# KiCad board Console.kicad_pcb (continued)
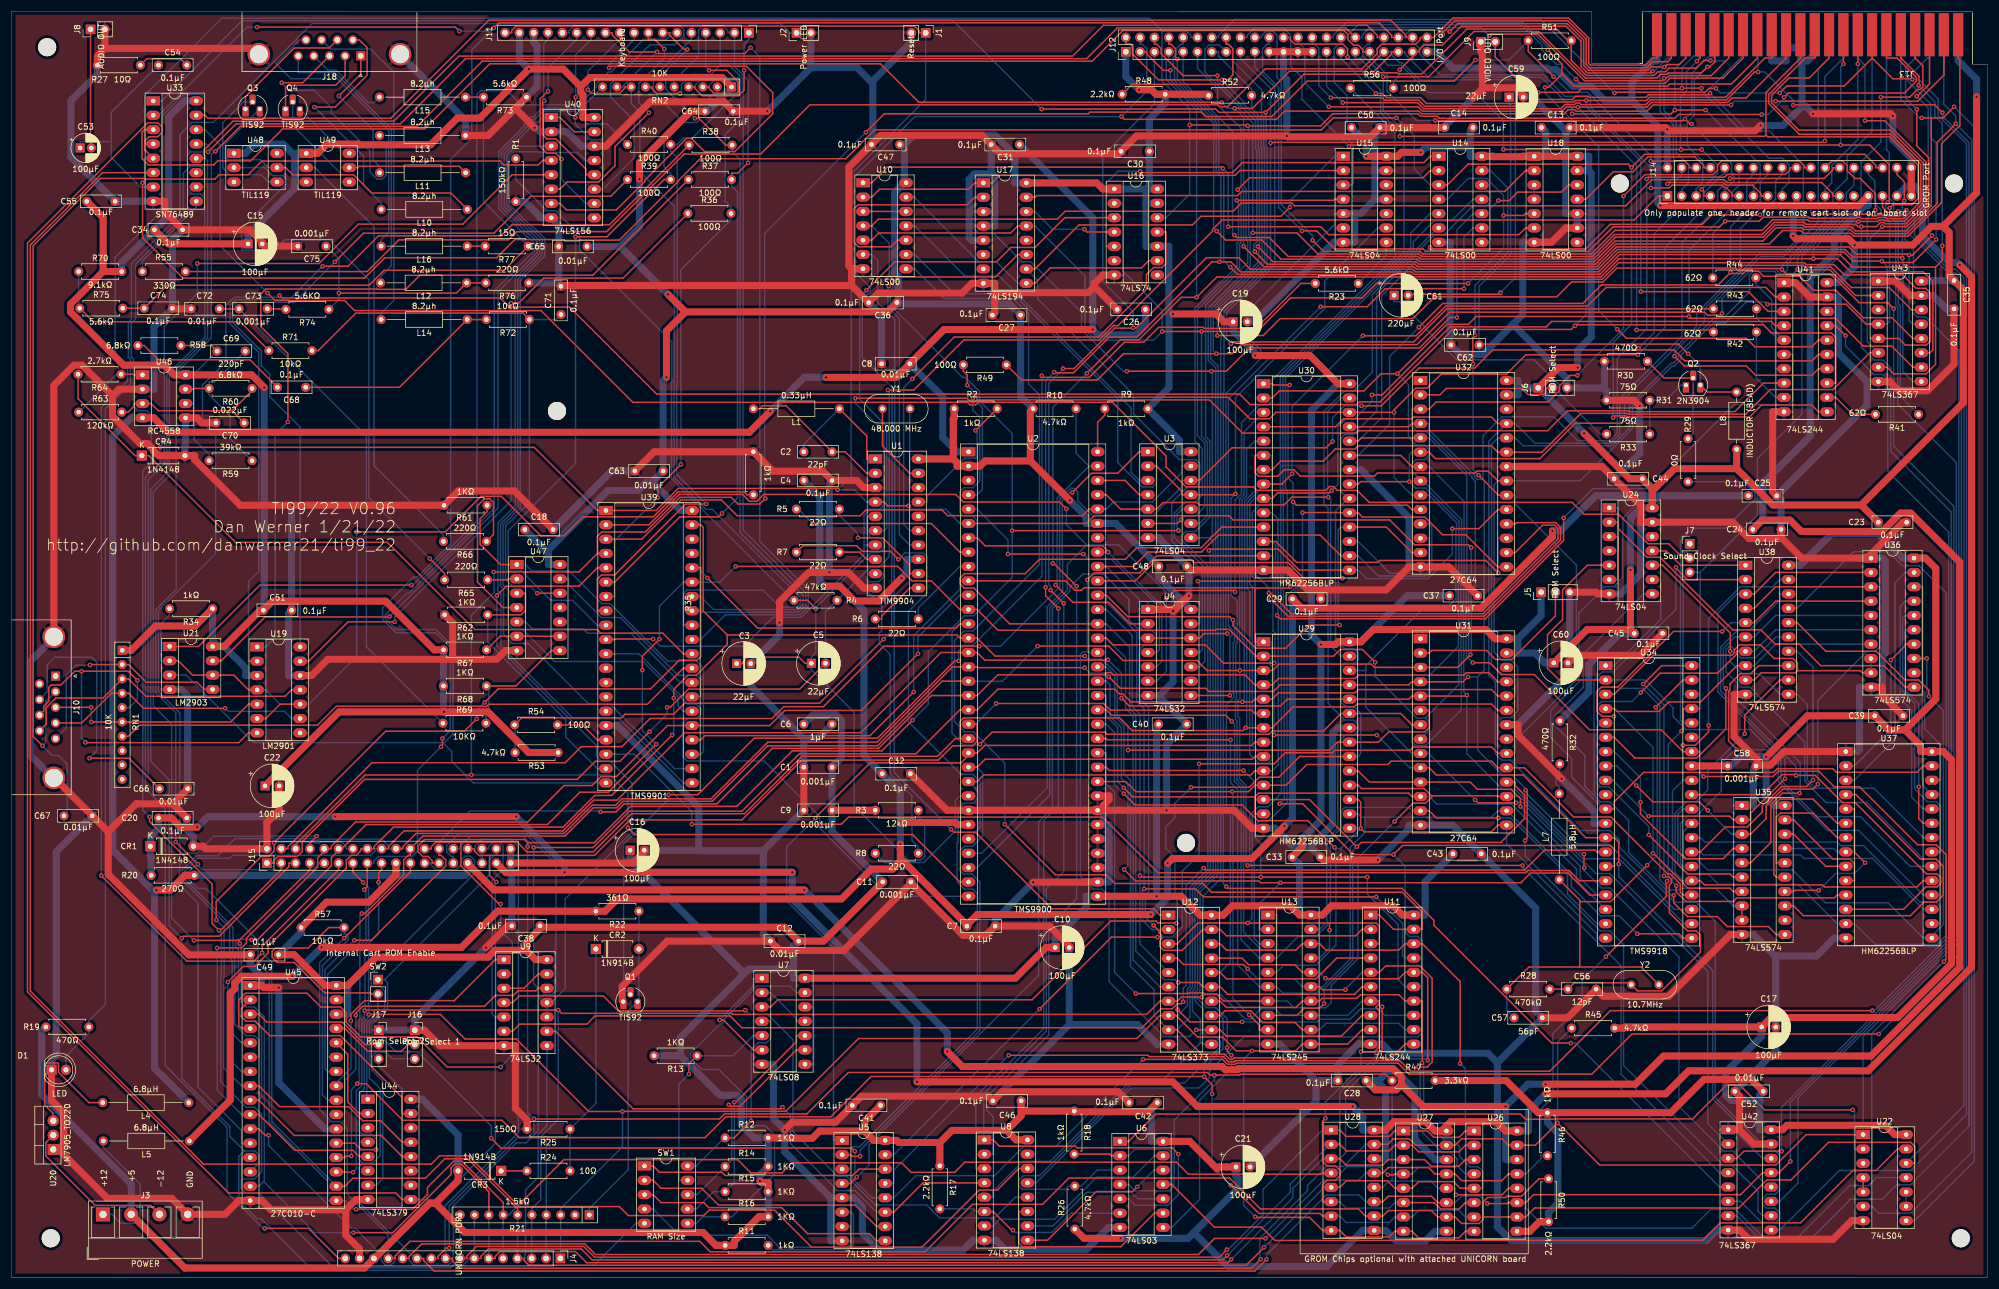
[diagram p0: board, top side]
## Routing (per net, layer and track width the routed paths; a pad name or vN(x,y) marks a point on that pad's centre or on a via; arc(x,y) is an arc through that point) (continued)
~{mWE}: length 772.4
  Top w0.25: v1(283.66,152.37) 283.95,152.66 286,152.66 286.2,152.46 307.83,152.46 309.94,154.58 318.84,154.58 320.03,153.38 U41.11 ; U14.3 254.31,193.56 257.99,197.25 286.34,197.25 v1(286.92,196.67) 289.24,198.99 328.21,198.99 330.21,196.99 330.21,196.61 J14.32 ; v1(245.29,205.45) 234.12,205.45 231.97,203.31 152.88,203.31 147.78,198.21 122.01,198.21 118.05,194.24 118.05,194.14 107.69,183.79 100.68,183.79 100.54,183.64 98.09,183.64 97.85,183.89 89.17,183.89 85.96,180.67 66.15,180.67 62.54,177.06 30.4,177.06 23.25,184.21 v1(23.25,193.92) ; U33.5 23.61,199.81 23.61,201.33 24.38,202.1 25.92,202.1 26.66,202.84 26.66,203.86 25.97,204.55 24.14,204.55 2.87,183.27 2.87,50.63 38.48,15.01 68.06,15.01 69.23,13.84 U44.9
  Bottom w0.25: U14.3 251.26,193.56 248.46,196.37 248.46,202.29 v1(245.29,205.45) ; 85.71,46.19 85.71,23.77 75.78,13.84 U44.9 ; 85.71,46.19 U9.5 ; 85.71,46.19 85.14,46.75 85.14,70.4 87.08,72.34 87.08,76.51 86.38,77.21 85.4,77.21 84.54,76.35 84.54,75.99 J15.32 ; U33.5 23.61,198.29 23.61,194.28 v1(23.25,193.92) ; v1(286.92,196.67) 286.92,168.89 283.66,165.63 v1(283.66,152.37)
~{RAM0}: length 43.8
  Top w0.25: SW1.1 113.66,19.8 114.79,18.67 125.84,18.67 126.4,18.11 149,18.11 150.13,19.24 U5.14
~{RAM1}: length 46
  Top w0.25: U5.10 153.23,9.08 149.45,12.86 125.24,12.86 122.27,15.84 115.07,15.84 113.66,17.26 SW1.2
~{RAM2}: length 46
  Top w0.25: SW1.3 113.66,14.72 115.07,13.3 122.62,13.3 123.51,12.41 136.42,12.41 141.02,7.81 151.96,7.81 153.23,6.54 U5.9
~{RAM3}: length 44.2
  Bottom w0.25: SW1.4 113.66,12.18 118.3,7.54 133.86,7.54 136,5.39 148.06,5.39 148.66,5.99 148.66,9.08 U5.7
~{RAM4}: length 64.3
  Bottom w0.25: U9.8 94.86,26.93 93.32,25.4 93.32,17.79 91.06,15.54 91.06,4.23 90.94,4.11 90.94,2.96 91.69,2.21 103.19,2.21 110.61,9.64 SW1.5
~{RAM}: length 263.7
  Top w0.25: v1(206.32,62.79) 206.28,62.84 203.05,62.84 202.72,63.18 194.72,63.18 180.78,49.24 135.73,49.24 134.46,47.97 U7.3 ; v1(208.91,86.87) 219.22,86.87 221,88.65 224.48,88.65 228.14,92.31 U29.20
  Bottom w0.25: 236.71,138.04 235.42,139.32 235.42,148.63 236.11,149.32 237.61,149.32 241.78,153.49 241.78,174.26 249.45,181.93 249.45,182.13 251.99,184.68 253.66,184.68 258.74,189.75 261.14,189.75 261.97,190.58 261.97,192 U14.12 ; 236.71,138.04 234.5,135.83 234.5,113.06 236.2,111.37 237.72,111.37 238.54,110.55 238.54,109.58 237.78,108.83 236.22,108.83 235.44,108.04 235.44,102.03 236.26,101.21 237.71,101.21 238.97,99.95 238.97,92.77 238.52,92.31 U29.20 ; 236.71,138.04 236.99,138.04 ; v1(208.91,86.87) 206.07,84.02 206.07,81.49 204.44,79.86 204.44,76.08 206.07,74.45 206.07,67.38 206.46,66.98 206.46,62.93 v1(206.32,62.79)
~{RESET}: length 755.8
  Top w0.25: v1(44.87,8.74) 52.64,8.74 57.96,3.42 J4.16 ; v1(258.53,129.33) 258.03,129.83 248.5,129.83 244.1,134.23 216.38,134.23 215.63,134.97 191.76,134.97 190.38,133.6 U2.6 ; v1(258.82,108.94) 261.76,108.94 263.86,106.84 269.7,106.84 279.46,97.07 292.16,97.07 296.05,93.18 U34.34 ; v1(26.36,147.08) 92.61,147.08 103.78,135.91 U39.1 114.19,135.91 118.09,139.81 146.07,139.81 v1(146.32,139.56) ; J11.18 88.61,220.52 88.61,220.89 89.41,221.7 159.92,221.7 160.75,220.87 160.75,220.5 J1.1 ; v1(158.91,136.73) 155.22,136.73 154.54,137.41 U1.4 ; v1(299.68,88.78) 311.99,88.78 312.92,89.71 320.08,89.71 322.82,86.96 327.29,86.96 337.57,76.69 340.87,76.69 342.61,74.95 342.61,56.37 v1(342.26,56.02)
  Bottom w0.25: U22.3 329.46,20.27 329.46,43.22 v1(342.26,56.02) ; J1.1 161.93,208.7 148.72,195.49 148.72,141.95 v1(146.32,139.56) 149.34,139.56 151.49,137.41 U1.4 ; U34.34 299.1,93.18 299.1,89.35 v1(299.68,88.78) ; v1(26.36,147.08) 26.36,144.38 23.75,141.77 23.75,86.58 27.25,83.09 27.25,37.59 38.21,26.63 38.21,15.12 44.6,8.74 v1(44.87,8.74) ; v1(158.91,136.73) 159.53,136.11 165.48,136.11 167.99,133.6 U2.6 ; v1(258.53,129.33) 258.53,122.34 258.07,121.89 258.07,111.07 257.68,110.68 257.68,110.07 v1(258.82,108.94)
~{ROMG}: length 507.2
  Top w0.25: v1(330.7,43.18) 287.02,43.18 279.91,36.07 247.51,36.07 245.59,37.99 216.91,37.99 216.72,37.8 215.37,37.8 214.5,38.67 v1(200.42,38.67) ; v1(149.39,22.42) 148.84,22.98 86.7,22.98 v1(84.98,24.7) ; J14.34 333.92,195.43 335.23,194.13 v1(335.23,190.79)
  Bottom w0.25: v1(84.98,24.7) 84.98,26.91 71.85,40.03 68.1,40.03 65.47,42.67 63.98,42.67 63.88,42.77 63.88,44.86 66.63,47.6 66.63,52.28 66.11,52.8 ; v1(330.7,43.18) 345.34,57.82 345.34,176.95 344.33,177.97 343.03,177.97 335.82,185.18 335.82,187.78 334.87,188.73 334.87,190.42 v1(335.23,190.79) ; v1(149.39,22.42) 149.39,18.5 149,18.11 149,17.51 152.36,14.16 U5.12 156.28,14.16 160.19,18.07 174.11,18.07 179.3,23.26 185.01,23.26 v1(200.42,38.67) ; 66.11,52.8 84.63,71.31 84.63,73.91 85.53,74.81 85.9,74.81 J15.34 ; 66.11,52.8 SW2.1
~{ROM}: length 279.7
  Top w0.25: v1(210.34,91.04) 223.64,91.04 225.59,92.99 233.92,92.99 234.37,93.44 247.74,93.44 248.3,94 262.13,94 263.27,92.87 U31.20 ; v1(259.84,142.15) 263.26,138.73 263.26,138.6 U32.20 ; v1(259.21,166.93) 258.79,166.52 258.79,161.92 v1(258.86,161.85) ; v1(202.98,60.33) 194.83,60.33 v1(182.09,47.59)
  Bottom w0.25: v1(210.34,91.04) 210.34,74.98 207.37,72 207.37,62.12 205.59,60.33 v1(202.98,60.33) ; U5.15 156.28,21.78 v1(182.09,47.59) ; v1(259.84,142.15) 258.86,143.14 v1(258.86,161.85) ; v1(259.21,166.93) 259.21,175.77 265.01,181.57 265.01,193.02 261.93,196.11 U14.13 ; U32.20 266.32,138.6 266.32,137.07 277.17,126.22 277.17,105.95 266.32,95.1 266.32,92.87 U31.20
~{SOUND_SEL}: length 362.4
  Top w0.25: U33.6 16.18,195.75 3.37,182.93 3.37,50.78 34.03,20.11 74.36,20.11 75.84,21.6 80.96,21.6 89.96,12.6 107.67,12.6 109.27,11 122.62,11 123.57,11.96 135.16,11.96 141.71,5.41 161.28,5.41 171.4,15.53 174.62,15.53 178.43,19.34 U8.14
~{WE}: length 93.9
  Top w0.25: U2.61 193.9,138.68 196.44,136.15 U3.5 202.8,136.15 203.97,137.32 210.01,137.32 210.45,136.88 225.4,136.88 226.77,138.26 v1(233.23,138.26)
  Bottom w0.25: 236.99,155.81 235.46,155.81 233.1,153.45 233.1,138.39 v1(233.23,138.26) 233.65,137.84 233.65,111.91 235.46,110.09 U29.27
~{Ø1}: length 75.7
  Top w0.25: v1(155.38,175.64) 157,177.27 174.28,177.27 178.23,181.22 U17.11
  Bottom w0.25: U1.14 159.11,129.79 157.26,131.63 157.26,169.9 155.24,171.92 155.24,175.5 v1(155.38,175.64)
~{Ø2}: length 91.5
  Top w0.25: U16.11 204.48,185.23 204.48,179.65 203.77,178.94 202.3,178.94 201.02,177.66 201.02,175.11 192.53,166.62 166.99,166.62 v1(159.58,159.21)
  Bottom w0.25: U1.15 159.11,132.33 158.03,133.41 158.03,157.66 v1(159.58,159.21)
~{Ø3}: length 258.4
  Top w0.25: v1(113.66,113.13) 106.92,113.13 106.84,113.05 U39.10 ; U41.8 310.27,158.47 305.22,153.41 286.53,153.41 286.38,153.56 275.59,153.56 272.06,150.03 238.66,150.03 238.23,149.6 218.05,149.6 212.15,155.5 171.01,155.5 170.57,155.05 169.97,155.05 169.24,155.78 v1(149.48,155.78)
  Bottom w0.25: 151.01,129.79 151.01,135.05 152.09,136.13 153.78,136.13 154.54,136.9 154.54,149.86 149.48,154.92 v1(149.48,155.78) ; 151.01,129.79 U1.7 ; 151.01,129.79 151.01,128.09 139.88,116.96 134.86,116.96 129.75,111.85 114.94,111.85 v1(113.66,113.13)
~{Ø4}: length 96
  Top w0.25: v1(151.42,174.91) 156.46,179.95 174.49,179.95 177.03,182.49 181.28,182.49 186.56,187.77 U16.3
  Bottom w0.25: U1.6 154.54,132.33 155.02,132.81 155.02,150.83 150.23,155.63 150.23,173.72 v1(151.42,174.91)
Net-(C2-Pad1): length 22.7
  Top w0.25: U1.1 151.49,145.03 151.49,149.09 L1.1
  Bottom w0.25: L1.1 140.35,147.61 C2.1
Net-(C2-Pad2): length 26.8
  Top w0.25: U1.2 151.49,142.49 147.67,146.3 C2.2 137.21,154.44 133.06,154.44 132.54,153.92 L1.2
Net-(C3-Pad1): length 208.7
  Top w0.25: C3.1 129.57,108.79 129.57,109.07 130.42,109.92 139.48,109.92 140.56,108.84 C5.1 ; R4.2 141.02,119.98 v1(142.47,118.53)
  Bottom w0.25: R4.2 137.49,119.98 137.49,120.97 116.92,141.54 116.92,158.88 116.97,158.93 116.97,165.77 100.66,182.09 100.66,184.71 96.36,189.01 94.85,189.01 89.33,194.52 R1.1 ; U1.5 151.49,134.87 151.49,131.84 152.27,131.06 153.78,131.06 154.58,130.25 154.58,129.32 153.78,128.52 152.28,128.52 142.47,118.7 v1(142.47,118.53) 142.47,110.75 141.68,109.96 C5.1 141.68,107.71 149.24,100.15 149.24,83.58 158.82,74 161.08,74 161.75,74.68 161.75,80.55 160.62,81.67 R3.2
Net-(C53-Pad1): length 36.1
  Bottom w0.25: U33.7 23.61,193.21 23.6,193.2 22.91,193.2 17.69,198.42 17.69,201.25 ; C53.1 12.18,201.25 17.69,201.25 ; 17.69,201.25 17.69,206.4 C54.1
Net-(C54-Pad2): length 9.2
  Top w0.25: C54.2 29.94,215.92 23.99,215.92 R27.1
Net-(C56-Pad1): length 93.8
  Top w0.25: R28.2 C56.1 276.79,52.24 286.53,52.24 Y2.1 287.96,50.82 292.27,50.82 299.13,57.68 299.13,60.67 298.37,61.43 296.85,61.43 293.63,64.65 293.63,69.61 293.96,69.94 293.96,70.6 293.52,71.04 292.8,71.04 v1(292.67,71.17) ; U34.40 292.27,108.42 v1(289,105.15)
  Bottom w0.25: v1(292.67,71.17) 292.67,101.48 v1(289,105.15)
Net-(C57-Pad1): length 104.2
  Top w0.25: U34.39 296.05,105.88 v1(291.2,101.03) ; 277.76,55.03 268.75,55.03 R28.1 ; 277.76,55.03 277.76,66.61 ; 277.76,55.03 288.62,55.03 Y2.2 ; 277.76,66.61 283.23,66.61 v1(289.69,73.08) ; 277.76,66.61 277.76,66.88 L7.1
  Bottom w0.25: v1(291.2,101.03) 291.48,100.76 291.48,74.86 v1(289.69,73.08) ; C57.1 264.83,47.34 R28.1
Net-(C59-Pad1): length 97.5
  Top w0.25: Q2.3 300.32,156.88 L8.2 ; C62.1 260.08,165.37 295.23,165.37 v1(296.95,163.64)
  Bottom w0.25: v1(296.95,163.64) 299.11,161.49 Q2.3 ; C62.1 259.94,175.63 265.52,181.22 265.52,207.71 265.24,207.99 C59.1
Net-(C61-Pad1): length 49.4
  Bottom w0.25: R33.2 281.4,149.42 274.22,156.6 274.22,158.05 269.69,162.58 255.98,162.58 250.45,168.11 250.45,168.28 245.83,172.89 244.87,172.89 C61.1
Net-(C68-Pad1): length 37
  Top w0.25: C68.1 68.73,157.72 L14.1 R72.2
Net-(C68-Pad2): length 27.8
  Top w0.25: C68.2 42.26,162.6 26.06,162.6 23.54,165.12 R58.2
Net-(C69-Pad1): length 30.5
  Top w0.25: C69.1 35.44,165.12 R58.1
  Bottom w0.25: 32.38,154.84 32.38,148.49 35.02,145.85 R59.2 ; 32.38,154.84 U46.6 ; 32.38,154.84 32.38,160.07 C69.1
Net-(C69-Pad2): length 30
  Top w0.25: R60.2 32.52,157.52 32.38,157.38 U46.7
  Bottom w0.25: C69.2 35.96,158.65 35.02,158.65 R60.2 35.02,156.39 38.74,152.68 38.74,148.63 R59.1
Net-(C70-Pad1): length 29.4
  Top w0.25: 39.09,153.57 42.64,157.13 R60.1 ; 39.09,153.57 26.03,153.57 24.76,154.84 U46.3 21.71,154.84 21.71,154.35 20.68,153.32 R63.2 ; 39.09,153.57 C70.1
Net-(C71-Pad1): length 106.1
  Top w0.25: R71.2 54.37,164.22 61.01,170.86 90.61,170.86 R72.1 ; v1(93.14,121.24) U47.12
  Bottom w0.25: C71.1 96.44,169.72 R72.1 91.75,137.35 87.53,133.14 87.53,123.73 88.89,122.37 92.02,122.37 v1(93.14,121.24)
Net-(C72-Pad1): length 91.9
  Top w0.25: C73.1 C72.1
  Bottom w0.25: C73.1 62.88,149.07 62.88,111.77 R69.1
Net-(C73-Pad2): length 3.3
  Top w0.25: C73.2 47.4,171.62 47.5,171.52 R74.2
Net-(C74-Pad1): length 109.2
  Top w0.25: R75.2 C74.1 27.62,175.8 63.38,175.8 66.03,178.44 87.27,178.44 R77.1 ; R73.2 L15.1
  Bottom w0.25: R73.2 83.61,190.65 R77.1
Net-(C75-Pad1): length 39.6
  Top w0.25: v1(58.02,174.4) 78.81,174.4 L12.1 R76.2
  Bottom w0.25: R74.1 58.02,173.3 v1(58.02,174.4) 58.02,180.43 C75.1
Net-(CR2-Pad1): length 41.2
  Bottom w0.25: CR2.1 103.52,30.9 R25.1 R24.2
Net-(CR2-Pad2): length 57.4
  Bottom w0.25: R22.1 CR2.2 111.14,49.14 Q1.3 109.24,47.24 109.24,19.13 102.36,12.25 R21.1
Net-(CR3-Pad1): length 4.6
  Top w0.25: CR3.1 R24.1
Net-(D1-Pad2): length 292.4
  Bottom w0.25: D1.2 9.67,39.22 13.74,43.29 R19.2 13.74,45.55 16.67,48.47 16.67,153.9 21.12,158.34 21.12,162.62 20.74,163 20.74,169.21 21.28,169.75 21.28,179.61 29.87,188.2 29.87,202.48 32.03,204.64 35.77,204.64 53.28,222.15 136.24,222.15 137.89,220.5 J2.1
Net-(J3-Pad1): length 24
  Bottom w0.25: L5.2 16.3,23.09 22.82,16.57 22.82,10.55 21.92,9.64 19.39,9.64 17.81,11.22 J3.1
Net-(J3-Pad3): length 28.7
  Top w0.25: U20.2 6.11,23.93 6.11,21.56 14.88,12.8 24.66,12.8 J3.3
Net-(J5-Pad2): length 32.1
  Top w0.25: U31.2 251.08,110.65 251.55,111.11 261.24,111.11 262.83,109.52 265.73,109.52 273.45,117.24 J5.2
Net-(J6-Pad2): length 25.3
  Top w0.25: U32.2 252.98,156.38 254.12,157.52 267.5,157.52 268.57,156.44 271.41,156.44 271.77,156.81 271.77,157.62 J6.2
Net-(J10-Pad3): length 39.6
  Top w0.25: U19.5 42.01,101.59 38.87,98.45 RN1.6 v1(14.16,98.45) ; J10.3 v1(14.12,101.03)
  Bottom w0.25: v1(14.16,98.45) 14.12,98.48 v1(14.12,101.03)
Net-(J10-Pad4): length 47.4
  Top w0.25: J10.4 12.47,98.26 17.73,103.53 RN1.4 20.76,103.53 23.42,100.86 v1(37.87,100.86)
  Bottom w0.25: U19.9 49.63,99.05 48.36,100.31 38.42,100.31 v1(37.87,100.86)
Net-(J10-Pad5): length 40.5
  Top w0.25: v1(13.94,108.52) 14.02,108.61 RN1.2 20.76,108.61 23.9,105.47 32.86,105.47 34.13,104.2 U21.5
  Bottom w0.25: v1(13.94,108.52) 11.53,108.52 9.73,106.72 9.73,97.38 J10.5
Net-(J10-Pad8): length 73.9
  Top w0.25: J10.8 5.75,100.39 5.75,101.23 6.63,102.12 6.63,104.54 7.08,104.99 8.79,104.99 11.22,107.42 v1(12.44,107.42) 20.73,107.42 v1(22.34,105.82) ; v1(13.13,94.82) 13.18,94.77 40.28,94.77 42.01,96.51 U19.7
  Bottom w0.25: v1(13.13,94.82) 12.44,95.52 v1(12.44,107.42) ; v1(22.34,105.82) 22.34,102.42 20.9,100.99 RN1.5
Net-(J10-Pad9): length 53.4
  Top w0.25: U19.11 49.63,104.12 48.49,102.99 23.84,102.99 20.76,106.06 RN1.3 16.24,102.68 7.89,102.68 6.2,100.98 6.2,98.07 J10.9
Net-(J11-Pad1): length 134.8
  Top w0.25: v1(129.77,213.85) 129.77,210.37 128.74,209.34 122.36,209.34 121.07,210.64 121.07,210.92 RN2.4 ; v1(114.5,138.18) 114.5,139.97 v1(118.59,144.06)
  Bottom w0.25: U39.7 106.84,120.67 106.84,130.52 v1(114.5,138.18) ; v1(118.59,144.06) 118.59,178.54 127.45,187.39 R36.2 127.45,189.65 126.4,190.69 126.4,202.49 129.15,205.24 129.15,212.11 128.76,212.5 122.36,212.5 121.07,211.2 121.07,210.92 RN2.4 ; v1(129.77,213.85) 129.77,218.5 130.61,219.34 J11.1
Net-(J11-Pad2): length 134.3
  Top w0.25: v1(130.48,197.48) 128.64,195.65 127.55,195.65 R37.2 ; U39.6 106.84,123.21 118.41,134.78 125.26,134.78 v1(125.87,135.38)
  Bottom w0.25: v1(130.48,197.48) 130.48,212.12 128.07,214.53 J11.2 126.89,220.52 126.89,220.89 126.09,221.7 122.45,221.7 121.72,220.97 121.72,216.37 117.4,212.05 RN2.5 ; v1(125.87,135.38) 128.6,138.12 128.6,192.34 127.55,193.39 R37.2
Net-(J11-Pad3): length 146
  Top w0.25: RN2.7 113.45,210.92 113.45,210.64 114.32,209.77 v1(118.43,209.77)
  Bottom w0.25: 125.53,214.81 123.85,213.13 120.53,213.13 118.67,211.27 118.67,210.01 v1(118.43,209.77) ; 125.53,214.81 127.09,214.81 129.6,212.3 129.6,132.43 140.67,121.35 140.67,119.1 139.43,117.86 122.34,117.86 122.08,118.12 120.55,118.12 ; 125.53,214.81 J11.3
Net-(J11-Pad4): length 144.7
  Top w0.25: v1(123.08,137.04) 119.42,137.04 106.85,124.48 104.52,124.48 103.78,123.74 103.78,118.12 105.31,118.12 ; v1(123.55,213.85) 126.72,213.85 128.74,211.84 128.74,210.02 128.51,209.79 124.45,209.79 123.61,210.64 123.61,210.92 RN2.3
  Bottom w0.25: J11.4 122.99,214.42 v1(123.55,213.85) ; RN2.3 123.61,210.92 123.61,211.2 124.45,212.05 128.57,212.05 128.69,211.93 128.69,209.94 120.59,201.85 119,201.85 117.87,200.72 R40.2 116.74,199.59 117.93,198.41 117.93,158.61 117.85,158.53 117.85,142.27 v1(123.08,137.04)
Net-(J11-Pad5): length 149.9
  Top w0.25: v1(99.92,184.39) 105.49,184.39 115.62,194.52 R39.2
  Bottom w0.25: U39.9 103.78,115.59 99.4,119.97 95.54,119.97 90.31,125.19 88.13,125.19 88,125.32 88,132.29 99.92,144.21 v1(99.92,184.39) ; 119.02,204.63 113.71,209.94 113.71,212.6 120.45,219.34 J11.5 ; 119.02,204.63 115.6,201.21 115.6,196.79 116.74,195.65 R39.2 ; 119.02,204.63 121.38,204.63 121.79,205.04 121.79,206 121.65,206.15 121.65,207.04 124.4,209.79 125.02,209.79 RN2.2
Net-(J11-Pad6): length 181.8
  Top w0.25: v1(70.86,122.68) 44.02,122.68 33.17,111.82 U21.1
  Bottom w0.25: v1(70.86,122.68) 71.11,122.68 82.46,134.03 82.46,209.56 83.15,210.25 87.83,210.25 90.36,207.72 100.46,207.72 103.57,210.84 103.57,211.39 105.73,213.54 106.15,213.54 111.95,219.34 115.93,219.34 116.73,220.15 116.73,220.52 J11.6
Net-(J11-Pad7): length 138.9
  Top w0.25: R38.2 126.52,200.62 121.78,205.36 v1(121.06,205.36) ; J11.7 116.55,220.52 116.55,220.15 119.13,217.57 v1(119.72,217.57)
  Bottom w0.25: 115.91,210.92 115.91,213.77 v1(119.72,217.57) ; 115.91,210.92 RN2.6 ; 115.91,210.92 115.91,210.51 v1(121.06,205.36) ; R38.2 127.64,199.49 129.05,198.09 129.05,132.02 140.22,120.85 140.22,119.29 139.28,118.35 124.39,118.35 122.08,120.67 U39.34
Net-(J11-Pad8): length 43.4
  Top w0.25: U40.6 97.16,192.82 98.43,194.09 104,194.09 106.9,196.99 106.9,200.33 v1(112.93,206.36) ; J11.8 112.83,219.34 113.94,219.34 v1(115.63,217.65)
  Bottom w0.25: v1(115.63,217.65) 115.63,216.04 111.15,211.56 111.15,208.13 v1(112.93,206.36)
Net-(J11-Pad9): length 91.6
  Top w0.25: U40.7 97.16,190.28 98.3,189.14 107.15,189.14 112.2,194.19 112.2,194.42 119.59,201.81 120.43,201.81 122.75,199.49 128.15,199.49 134.83,206.17 134.83,209.92 130.17,214.58 106.13,214.58 v1(105.85,214.3)
  Bottom w0.25: v1(105.85,214.3) 105.85,214.91 110.29,219.34 J11.9
Net-(J11-Pad10): length 155.2
  Top w0.25: RN2.8 108.65,210.92 108.65,210.71 107.72,209.77 102.76,209.77 v1(102.1,210.43)
  Bottom w0.25: U39.32 119.02,115.59 119.02,121.17 119.65,121.79 133.1,121.79 136.1,118.8 139.09,118.8 139.74,119.45 139.74,120.48 124.11,136.11 122.98,136.11 117.37,141.73 117.37,158.69 117.42,158.75 117.42,189.75 111.32,195.85 111.32,206.45 109.78,207.99 RN2.8 ; v1(102.1,210.43) 102.1,213.69 107.75,219.34 J11.10
Net-(J11-Pad11): length 163.9
  Top w0.25: v1(130.93,217.88) 129.88,216.83 114.64,216.83 v1(114.35,217.12) 109.42,217.12 106.39,220.15 106.39,220.52 J11.11
  Bottom w0.25: RN2.9 108.37,210.92 108.37,211.13 v1(114.35,217.12) ; U39.31 122.08,113.05 126.44,117.41 139.69,117.41 141.12,118.84 141.12,121.86 132.56,130.42 132.56,216.25 v1(130.93,217.88)
Net-(J11-Pad12): length 42.7
  Top w0.25: v1(99.95,209.1) 99.88,209.04 v1(99.88,205.51)
  Bottom w0.25: v1(99.95,209.1) 99.95,216.62 102.67,219.34 J11.12 ; v1(99.88,205.51) 99.88,204.35 102.67,201.57 104.16,201.57 104.81,200.92 104.81,194.92 103.98,194.09 102.45,194.09 101.7,193.34 101.7,192.38 102.53,191.55 104.04,191.55 104.78,190.81 104.78,187.74 U40.9
Net-(J11-Pad13): length 38.8
  Top w0.25: v1(95.06,210.13) 94.97,210.13 93.64,208.79 93.64,200.39 94.86,199.17 96.43,199.17 v1(97.44,198.16)
  Bottom w0.25: v1(97.44,198.16) 97.44,194.57 101.73,190.28 U40.10 ; v1(95.06,210.13) 95.06,214.28 100.13,219.34 J11.13
Net-(J11-Pad14): length 64.2
  Bottom w0.25: U40.11 104.78,192.82 110.3,198.34 110.3,204.93 106.11,209.12 106.11,211.41 113.09,218.38 117.49,218.38 119.09,219.98 119.09,221.07 118.47,221.7 99.57,221.7 98.77,220.89 98.77,220.52 97.59,220.52
Net-(J11-Pad15): length 31.2
  Top w0.25: U40.12 101.73,195.36 101.73,196.4 96.42,201.71 94.88,201.71 94.11,202.48 94.11,208.2 v1(94.37,208.46)
  Bottom w0.25: J11.15 95.05,219.34 94.29,218.58 94.29,208.54 v1(94.37,208.46)
Net-(J18-Pad1): length 25.3
  Top w0.25: J18.1 61.89,213.2 v1(58.01,209.33)
  Bottom w0.25: L11.2 65.22,196.85 64.07,197.99 64.07,203.27 v1(58.01,209.33)
Net-(J18-Pad2): length 18.7
  Top w0.25: J18.2 59.11,212.9 57.44,211.22 49.04,211.22 48.56,210.75 Q4.1
Net-(J18-Pad3): length 46.5
  Top w0.25: v1(47.89,211.67) 51.6,211.67 J18.3
  Bottom w0.25: L13.2 65.19,201.19 66.38,200.01 66.38,195.29 65.67,194.58 64.76,194.58 63.51,195.83 63.51,199.54 56.69,206.37 56.69,207.27 53.64,210.32 49.23,210.32 v1(47.89,211.67)
Net-(J18-Pad4): length 15.5
  Bottom w0.25: L15.2 64.21,208.14 63.25,208.14 57.48,213.92 56.07,213.92 J18.4
Net-(J18-Pad5): length 51.6
  Bottom w0.25: J18.5 50.8,213.47 57.29,213.47 67.29,203.46 67.29,179.24 65.39,177.35 L12.2
Net-(J18-Pad6): length 42.7
  Top w0.25: v1(53.67,207.35) 57.37,207.35 63.01,213 63.01,217.88 61.63,219.25 J18.6
  Bottom w0.25: v1(53.67,207.35) 62.38,198.64 62.38,193.48 65.52,190.35 L10.2
Net-(J18-Pad7): length 22.6
  Top w0.25: J18.7 56.3,217.82 50.09,217.82 41.47,209.2 Q3.1
Net-(J18-Pad8): length 59.9
  Bottom w0.25: 54.96,219.25 56.6,217.62 63.64,217.62 67.74,213.52 67.74,173.1 65.5,170.85 L14.2
Net-(J18-Pad9): length 53.1
  Bottom w0.25: L16.2 65.5,183.85 66.83,185.18 66.83,203.25 57.7,212.39 49.52,212.39 46.83,215.07 51.02,219.25 J18.9
Net-(L4-Pad2): length 24.9
  Top w0.25: U20.3 7.44,29.08 5.91,30.6 5.91,37.91 6.05,38.05 8.19,38.05 8.36,37.88 8.36,36.4 13.74,31.02 L4.2
Net-(L7-Pad2): length 5.7
  Bottom w0.25: R32.2 274.23,89.88 273.6,89.25 273.6,87.4 274.13,86.87 274.13,85.75
Net-(L10-Pad1): length 57.9
  Top w0.25: L10.1 77.84,192.13 63.84,192.13 60.61,195.36 49.85,195.36 48.58,196.63 U48.5
  Bottom w0.25: U48.5 45.53,196.63 44.12,198.04 38.1,198.04 37.91,198.23 37.91,200.9 Q3.3
Net-(L11-Pad1): length 36.1
  Top w0.25: L11.1 79.31,196.86 61.61,196.86 61.38,196.63 U49.5
  Bottom w0.25: Q4.3 58.33,199.78 58.33,196.63 U49.5
Net-(L16-Pad1): length 3.2
  Top w0.25: R77.2 L16.1
Net-(Q1-Pad2): length 213.5
  Top w0.25: v1(116.41,85.56) 121.55,85.56 131.56,95.57 153.4,95.57 167.09,109.26 v1(167.76,109.26) ; R23.2 228.37,176.12 220.4,168.14 211.27,168.14 211.07,168.34 203.17,168.34 200.52,165.69 197.1,165.69 190.88,159.47 182.76,159.47 v1(182.48,159.76)
  Bottom w0.25: v1(167.76,109.26) 167.76,111.02 168.78,112.04 170.29,112.04 182.52,124.27 182.52,159.71 v1(182.48,159.76) ; v1(116.41,85.56) 116.41,84.78 108.43,76.8 108.43,51.38 Q1.2
Net-(Q2-Pad1): length 13.5
  Bottom w0.25: R33.1 R31.1 293.01,155.42 295.69,158.1 Q2.1
Net-(Q2-Pad2): length 20.4
  Top w0.25: Q2.2 292.69,159.37 R30.1
  Bottom w0.25: Q2.2 297.84,149.52 R29.1
Net-(Q3-Pad2): length 25.4
  Bottom w0.25: U48.4 45.53,194.09 44.26,195.36 38.7,195.36 37.46,196.6 37.46,204.58 41.15,208.27 Q3.2
Net-(Q4-Pad2): length 19.2
  Bottom w0.25: Q4.2 49.83,204.11 58.33,195.62 58.33,194.09 U49.4
Net-(R2-Pad1): length 24.6
  Top w0.25: R2.1 v1(170.76,150.08)
  Bottom w0.25: U1.17 162.16,137.41 162.16,138.45 168.88,145.17 170.85,145.17 171.04,145.36 171.04,149.8 v1(170.76,150.08)
Net-(R5-Pad2): length 20.7
  Top w0.25: v1(149.94,131.06) 154.31,131.06 159.11,126.25 159.11,124.71 U1.12
  Bottom w0.25: v1(149.94,131.06) 149.94,131.73 146.65,135.01 R5.2
Net-(R6-Pad2): length 10.2
  Top w0.25: U1.11 159.11,122.17 154.13,117.19 154.13,116.68 R6.2
Net-(R7-Pad2): length 6.9
  Top w0.25: U1.8 151.49,127.25 150.21,128.52 R7.2
Net-(R8-Pad2): length 57.3
  Bottom w0.25: R8.2 160.62,76.31 159.5,77.43 159.5,85.35 155.63,89.22 155.63,110.39 153.72,112.3 153.72,114.2 154.13,114.61 154.13,119.06 151.49,121.7 151.49,122.63 152.15,123.29 153.6,123.29 154.54,124.23 154.54,124.71 U1.9
Net-(R9-Pad2): length 8.1
  Top w0.25: R9.2 193.64,152.79 192.38,151.52 U2.64
Net-(R10-Pad2): length 55.3
  Top w0.25: v1(184.95,122.69) 188.01,119.63 194.36,119.63 198.16,115.83 U4.2
  Bottom w0.25: 190.85,143.76 185.2,138.11 185.2,122.94 v1(184.95,122.69) ; 190.85,143.76 U2.63 ; 190.85,143.76 188.56,146.04 R10.2
Net-(R11-Pad1): length 23.3
  Bottom w0.25: R11.1 134.81,4.94 148.25,4.94 149.14,5.83 149.14,11.14 148.66,11.62 U5.6
Net-(R12-Pad1): length 36
  Top w0.25: R12.1 128,24.77 v1(131,27.77)
  Bottom w0.25: SW1.10 121.28,19.8 126.26,24.77 R12.1 ; U7.4 134.46,45.43 134.46,42.36 133.72,41.62 132.21,41.62 131,40.41 v1(131,27.77)
Net-(R13-Pad1): length 37.9
  Top w0.25: v1(120.01,36.07) 120.01,37.88 R13.1
  Bottom w0.25: U7.5 131.41,42.89 127.84,39.32 R13.1 ; v1(120.01,36.07) 118.23,34.29 118.23,17.26 SW1.9
Net-(R14-Pad1): length 38.1
  Top w0.25: 140.56,40.34 139.03,40.34 129.05,30.37 127.32,30.37 v1(127.05,30.64)
  Bottom w0.25: v1(127.05,30.64) 127.57,30.13 127.57,20.84 R14.1 121.44,14.72 SW1.8
Net-(R15-Pad1): length 42.5
  Top w0.25: U7.10 139.03,42.89 139.03,41.8 128.32,31.09 v1(128.05,31.09)
  Bottom w0.25: v1(128.05,31.09) 128.05,16.88 R15.1 124.35,15.25 121.28,12.18 SW1.7
Net-(R16-Pad1): length 75.8
  Bottom w0.25: U7.13 139.03,50.51 137.88,51.65 132.09,51.65 126.16,45.72 126.16,45.34 125.73,44.92 125.45,44.92 120.32,39.78 120.32,38.84 122.27,36.89 125.33,36.89 130.22,32 130.22,27.46 130.78,26.91 133.49,26.91 135.17,25.23 135.17,18.36 127.61,10.8 R16.1 122.45,10.8 121.28,9.64 SW1.6
Net-(R17-Pad2): length 35.1
  Top w0.25: U8.6 173.86,11.72 177.16,8.42 v1(177.38,8.42)
  Bottom w0.25: v1(177.38,8.42) 177.78,8.01 184.26,8.01 187.7,11.45 U6.6 ; U8.6 170.81,11.72 170.33,12.2 R17.2
Net-(R23-Pad1): length 9.3
  Bottom w0.25: R23.1 243.49,181.07 U15.8
Net-(R34-Pad2): length 167.7
  Top w0.25: U19.10 47.6,101.59 45.06,99.05 U19.6 ; U21.2 29.56,109.28 32.1,106.74 U21.6 39.39,106.74 42.01,104.12 U19.4 ; v1(61.18,132.1) 76.86,132.1 83.17,138.41 86.78,138.41 93.8,131.39 97.84,131.39 101.22,134.78 113.7,134.78 118.11,139.19 129.78,139.19 130.29,138.68 R35.2
  Bottom w0.25: 52.68,101.59 52.68,96.51 U19.8 ; 52.68,101.59 61.18,110.08 v1(61.18,132.1) ; 52.68,101.59 U19.10 47.6,101.59 45.06,104.12 U19.4 ; R34.2 28.02,117.39 26.51,115.88 26.51,109.28 U21.2
Net-(R41-Pad2): length 9.8
  Top w0.25: U41.12 323.08,155.93 326.09,152.92 R41.2
Net-(R42-Pad2): length 14.5
  Bottom w0.25: U41.9 312.41,155.93 309.05,159.29 R42.2
Net-(R43-Pad2): length 13.5
  Bottom w0.25: U41.7 312.41,161 312.41,166.68 309.05,170.04 R43.2
Net-(R44-Pad2): length 13.1
  Bottom w0.25: R44.2 308.94,175.99 311.75,173.19 311.75,168.27 U41.5
Net-(R56-Pad1): length 134.9
  Top w0.25: v1(204.54,120.32) 205.95,121.73 216.46,121.73 v1(216.72,121.47)
  Bottom w0.25: U4.6 202.8,105.67 204.54,107.41 v1(204.54,120.32) ; R56.1 245.04,202.81 245.04,180.74 223.28,158.97 223.28,155.3 222.52,154.55 220.98,154.55 217.85,151.42 217.85,138.88 216.72,137.74 v1(216.72,121.47)
Net-(R63-Pad1): length 14.1
  Top w0.25: U46.1 21.71,159.92 21.61,160.02 R64.1
  Bottom w0.25: R63.1 18.63,160.02 R64.1
Net-(R65-Pad1): length 5.2
  Top w0.25: U47.2 88,123.78 87.84,123.62 R65.1
Net-(R65-Pad2): length 110.7
  Top w0.25: R65.2 76.73,124.75 v1(74.12,127.36)
  Bottom w0.25: U48.2 44.89,196.63 46.31,195.22 47.99,195.22 48.64,194.56 48.64,193.68 40.79,185.83 40.79,182.15 40.95,181.99 46.6,181.99 48.48,183.88 56.23,183.88 63.33,176.77 63.33,138.15 v1(74.12,127.36)
Net-(R66-Pad1): length 33.4
  Top w0.25: R66.1 85.39,131.66 85.39,137.3 84.73,137.96 83.78,137.96 82.56,136.73 82.56,123.22 87.08,118.7 U47.4
Net-(R66-Pad2): length 77.2
  Bottom w0.25: U49.2 53.76,196.63 64.23,186.16 64.23,143.85 76.53,131.55 R66.2
Net-(R67-Pad1): length 14
  Top w0.25: U47.9 U47.6 86.55,113.62 R67.1
Net-(R68-Pad1): length 22.6
  Top w0.25: U47.8 95.62,111.08 89.36,104.82 R68.1
  Bottom w0.25: R68.1 84.57,104.4 84.57,99.86 84.05,99.35 R69.2
Net-(R70-Pad1): length 43.2
  Top w0.25: R75.1 14.52,169.32 40.52,169.32 R71.1
  Bottom w0.25: R75.1 11.92,171.92 R70.1
Net-(RN1-Pad7): length 106
  Top w0.25: RN1.7 20.76,95.91 22.72,97.86 54.2,97.86 57.56,101.22 83.49,101.22 83.54,101.17 84.14,101.17 84.54,101.56 112.62,101.56 119.02,107.97 U39.29
Net-(RN2-Pad10): length 238.1
  Bottom w0.25: RN2.10 101.05,207.27 100.59,207.27 100.5,207.18 94.02,207.18 92.37,205.53 91.92,205.53 90.83,204.44 90.83,203.99 86.34,199.5 86.34,189.36 91.38,184.31 91.58,184.31 92.67,183.22 92.67,181.99 85.51,174.83 85.51,136.3 70.42,121.21 70.03,121.21 66.25,117.43 66.25,116.76 68.2,114.81 75.21,114.81 78.22,111.8 78.22,96.3 76.55,94.63 ; U39.20 81.81,87.65 78.02,91.44 78.02,93.17 76.55,94.63 ; U21.3 30.94,106.74 42.91,94.78 76.4,94.78 76.55,94.63
Net-(U1-Pad18): length 15.5
  Bottom w0.25: U1.18 159.11,139.94 159.11,153.87 Y1.2
Net-(U1-Pad19): length 15
  Top w0.25: Y1.1 154.27,147.32 159.11,142.49 U1.19
Net-(U2-Pad29): length 89.6
  Top w0.25: v1(187.88,139.09) 191.28,142.49 195.93,142.49 199.75,146.31 U3.1
  Bottom w0.25: v1(187.88,139.09) 187.48,139.09 186.1,137.71 186.1,127.24 186.18,127.16 186.18,121.59 183.44,118.86 183.44,86.8 171.82,75.18 U2.29
Net-(U5-Pad11): length 96.1
  Top w0.25: U9.9 96.38,43.65 110.11,29.92 136.29,29.92 v1(136.57,30.21) ; U5.11 156.28,11.62 161.46,16.8 U8.4
  Bottom w0.25: v1(136.57,30.21) 137.97,28.81 137.97,23.79 146.33,15.43 149.42,15.43 153.23,11.62 U5.11
Net-(U6-Pad9): length 35.3
  Top w0.25: U8.11 178.43,11.72 178.43,6.16 179.08,5.5 196.49,5.5 202.43,11.45 U6.9
Net-(U6-Pad10): length 26.9
  Bottom w0.25: U8.10 184.48,9.18 190.41,15.11 198.35,15.11 199.48,13.99 U6.10
Net-(U6-Pad12): length 29.1
  Top w0.25: U8.9 183.5,6.64 192.11,15.26 198.55,15.26 v1(199.39,16.1)
  Bottom w0.25: U6.12 202.36,19.06 v1(199.39,16.1)
Net-(U6-Pad13): length 36.8
  Bottom w0.25: U6.13 202.43,21.61 198.62,17.8 192.2,17.8 184.77,10.37 175.05,10.37 173.86,9.18 U8.7
Net-(U7-Pad1): length 21.1
  Top w0.25: v1(125.43,45.64) 126.11,45.64 131.41,40.34 132.94,40.34
  Bottom w0.25: U7.1 131.41,53.05 131.41,51.62 v1(125.43,45.64)
Net-(U7-Pad11): length 10
  Bottom w0.25: U7.2 134.46,50.51 139.03,45.94 139.03,45.43 U7.11
Net-(U7-Pad12): length 13.2
  Bottom w0.25: U7.12 142.08,47.97 142.08,37.81 U7.8
Net-(U9-Pad13): length 8.7
  Top w0.25: U9.13 93.33,53.81 90.79,51.27 U9.3
Net-(U10-Pad1): length 130.9
  Top w0.25: v1(215.5,186.17) 231.89,186.17 233.3,184.75 266.97,184.75 268.16,185.94 U18.6 ; U10.1 152.36,193.94 155.13,196.72 214.31,196.72 v1(214.54,196.48)
  Bottom w0.25: v1(214.54,196.48) 215.5,195.53 v1(215.5,186.17)
Net-(U10-Pad2): length 87
  Top w0.25: U15.2 217.57,196.11 216.72,195.26 175,195.26 173.66,193.92 U17.1 170.61,193.92 169.48,192.79 153.75,192.79 152.36,191.41 U10.2
Net-(U10-Pad5): length 227.9
  Top w0.25: v1(264.26,188.16) 267.84,188.16 268.16,188.49 U18.5 ; v1(203.81,167.61) v1(210.78,167.61) 210.79,167.62 220.61,167.62 226.55,173.56 239.21,173.56 241.76,176.11 v1(257.97,176.11) ; U10.5 152.36,183.79 153.63,185.06 176.98,185.06 178.23,186.3 U17.13
  Bottom w0.25: U14.4 254.31,191.03 257.98,194.7 261.27,194.7 264.26,191.71 v1(264.26,188.16) 264.26,182.39 v1(257.97,176.11) ; U17.13 181.28,186.3 190.14,177.44 190.14,167.98 192.07,166.05 202.25,166.05 v1(203.81,167.61) 203.81,171.33 196.86,178.28 196.86,190.31 195.33,190.31 ; v1(210.78,167.61) 210.78,149.03 211.8,148.01 211.8,134.98 210.42,133.61 U3.9
Net-(U10-Pad8): length 221.5
  Top w0.25: U11.1 242.26,64.25 244.8,61.71 U11.19 249.88,61.71 249.88,64.72 246.32,68.27 212.55,68.27 211,69.83 195.45,69.83 193.9,71.37 184.9,71.37 v1(175.94,80.33)
  Bottom w0.25: U10.8 159.98,178.71 165.24,173.44 177.42,173.44 180.15,170.71 180.15,158.3 182.07,156.38 182.07,126.33 170.29,114.55 168.7,114.55 167.04,112.88 167.04,98.52 168.87,96.69 170.38,96.69 175.94,91.13 v1(175.94,80.33)
Net-(U10-Pad11): length 68.2
  Bottom w0.25: U10.11 159.98,186.33 168.9,177.41 174.94,177.41 198.31,154.04 198.31,142.67 199.75,141.23 U3.3
Net-(U10-Pad12): length 7.6
  Top w0.25: U10.12 U10.3
Net-(U10-Pad13): length 52.5
  Top w0.25: U17.9 181.28,176.14 184.02,178.88 200.16,178.88 201.43,180.15 U16.9
  Bottom w0.25: U17.9 178.23,176.14 174.42,179.95 171.34,179.95 159.98,191.31 159.98,191.41 U10.13
Net-(U14-Pad1): length 73.8
  Top w0.25: v1(199.89,195.99) 200.13,195.76 216.27,195.76 218.03,197.52 250.13,197.52 251.26,198.65 U14.1
  Bottom w0.25: U16.5 193.81,182.69 193.81,193.79 196,195.99 v1(199.89,195.99)
Net-(U14-Pad2): length 108.4
  Top w0.25: v1(207.16,134.25) 206.51,133.61 U3.6 ; v1(217.18,192.72) 219.29,194.84 249.99,194.84 251.26,196.11 U14.2
  Bottom w0.25: v1(207.16,134.25) 207.78,134.88 209.65,134.88 211.35,136.57 211.35,147.83 210.05,149.12 210.05,171.52 217.5,178.97 217.5,183.07 217.77,183.34 217.77,192.13 v1(217.18,192.72)
Net-(U14-Pad8): length 24.6
  Top w0.25: U18.12 275.78,193.56 274.51,192.3 266.75,192.3 265.25,190.79 v1(263.34,190.79)
  Bottom w0.25: v1(263.34,190.79) 261.93,189.37 261.93,183.41 U14.8
Net-(U14-Pad9): length 122.6
  Top w0.25: U4.8 v1(215.79,103.12) ; v1(231.87,172) 240.13,172 243.33,175.2 v1(257.25,175.2)
  Bottom w0.25: v1(231.87,172) 215.54,155.67 215.54,115.44 216.17,114.82 216.17,113.8 215.79,113.43 v1(215.79,103.12) ; v1(257.25,175.2) 257.25,184.32 258.88,185.94 U14.9
Net-(U14-Pad11): length 109.9
  Top w0.25: v1(210.14,123.38) v1(225.98,123.38)
  Bottom w0.25: v1(210.14,123.38) 210.42,123.1 210.42,115.83 U4.13 ; v1(225.98,123.38) 225.98,139.43 225.65,139.76 225.65,159.4 248.26,182.01 248.26,183.48 252,187.22 255.07,187.22 258.88,191.03 U14.11
Net-(U15-Pad1): length 154.2
  Top w0.25: U17.10 181.28,178.68 189.08,186.48 209.15,186.48 210.68,188.01 224.82,188.01 v1(226.44,189.62)
  Bottom w0.25: U15.1 234.35,198.65 226.44,190.74 v1(226.44,189.62) ; U17.10 181.77,176.67 181.77,173.37 198.76,156.38 198.76,153 206.87,144.89 209.77,144.89 210.44,144.22 210.44,140.78 209.62,139.96 208.17,139.96 205.52,137.31 205.52,130.52 210.89,125.15 210.89,111.22 210.42,110.75 U4.11
Net-(U15-Pad4): length 112.6
  Top w0.25: U15.4 234.35,191.03 234.16,190.84 v1(217.01,190.84)
  Bottom w0.25: v1(217.01,190.84) 217.32,190.52 217.32,183.53 217.05,183.25 217.05,179.15 209.6,171.71 209.6,148.17 210.9,146.87 210.9,138.66 209.65,137.42 207.94,137.42 205.97,135.45 205.97,131.15 211.35,125.77 211.35,109.13 210.42,108.21 U4.10
Net-(U16-Pad4): length 17.1
  Top w0.25: v1(190.06,185.7) 190.53,185.23 U16.4
  Bottom w0.25: v1(190.06,185.7) 184.42,185.7 181.28,188.84 U17.14
Net-(U17-Pad15): length 91.9
  Top w0.25: U18.2 268.16,196.11 264.47,192.41 217.89,192.41 217.16,191.68 181.58,191.68 181.28,191.38 U17.15
Net-(U18-Pad3): length 2.5
  Bottom w0.25: U18.4 U18.3
Net-(U22-Pad2): length 145.1
  Top w0.25: v1(326.09,29.73) 310.49,29.73 306.05,34.17 303.78,34.17 297.75,28.13 273.53,28.13 273.46,28.06 268.17,28.06 267.24,28.99 202.7,28.99 197.86,24.15 U6.1
  Bottom w0.25: U22.2 326.41,22.81 326.41,29.41 v1(326.09,29.73)
Net-(U22-Pad4): length 2.5
  Top w0.25: U22.5 U22.4
Net-(U22-Pad10): length 2.5
  Bottom w0.25: U22.10 U22.9
Net-(U24-Pad1): length 10.7
  Bottom w0.25: U24.1 284.51,136.37 284.51,128.75 U24.4
Net-(U24-Pad3): length 10.7
  Top w0.25: U24.6 284.51,123.67 284.51,131.29 U24.3
Net-(U34-Pad14): length 222.3
  Top w0.25: U9.6 88.76,43.65 90.03,44.92 101.92,44.92 103.38,46.37 127.28,46.37 129.36,44.29 200.21,44.29 203.56,47.64 205.6,47.64 206.49,48.53 207.19,48.53 v1(207.54,48.88) ; U34.14 280.81,75.4 280.47,75.74 271.52,75.74 267.99,72.22 211.49,72.22 v1(211.15,72.56)
  Bottom w0.25: v1(207.54,48.88) 207.54,51.28 208.05,51.79 208.05,69.45 v1(211.15,72.56)
Net-(U35-Pad13): length 57.9
  Top w0.25: U37.4 326.67,85.58 338.1,74.15 340.87,74.15 342.13,72.88 342.13,67.76 340.9,66.53 338.72,66.53 336.32,64.13 317.36,64.13 315.62,65.87 U35.13
Net-(U35-Pad14): length 28.1
  Top w0.25: U37.5 326.4,83.03 326.4,75.38 v1(328.28,73.5) ; v1(320.08,68.61) 315.82,68.61 315.62,68.41 U35.14
  Bottom w0.25: v1(328.28,73.5) 326.38,71.61 323.07,71.61 v1(320.08,68.61)
Net-(U35-Pad15): length 29.4
  Top w0.25: U35.15 312.57,70.95 312.12,71.4 312.12,83.67 313.22,84.78 319.07,84.78 323.35,80.5 U37.6
Net-(U35-Pad16): length 24
  Top w0.25: U37.7 323.35,77.96 319.01,82.29 313.28,82.29 312.57,81.58 312.57,73.49 U35.16
Net-(U35-Pad17): length 11
  Bottom w0.25: U37.8 323.35,75.42 322.73,76.03 U35.17
Net-(U35-Pad18): length 13.1
  Top w0.25: U35.18 315.62,78.57 321.32,72.88 U37.9
Net-(U35-Pad19): length 20.1
  Top w0.25: U35.19 315.62,81.11 322.59,74.15 325.6,74.15 326.4,73.34 326.4,70.34 U37.10
Net-(U36-Pad13): length 26.6
  Top w0.25: U36.13 v1(339.21,109.69)
  Bottom w0.25: U37.26 341.64,88.12 341.64,94.42 338.86,97.2 338.86,103.3 339.21,103.65 v1(339.21,109.69)
Net-(U36-Pad14): length 28.4
  Top w0.25: U36.14 335.43,112.23 335.43,111.98 v1(332.86,109.41)
  Bottom w0.25: v1(332.86,109.41) 332.86,97.12 326.4,90.66 U37.2
Net-(U36-Pad15): length 38.6
  Top w0.25: v1(337.78,86.95) 337.78,81.3 338.59,80.5 U37.23
  Bottom w0.25: U36.15 335.43,114.77 335.43,104.03 337.78,101.68 v1(337.78,86.95)
Net-(U36-Pad16): length 48.8
  Bottom w0.25: U37.21 341.64,75.42 341.64,83.54 340.87,84.31 339.37,84.31 337.06,86.61 337.06,101.77 334.94,103.89 334.94,116.81 335.43,117.31 U36.16
Net-(U36-Pad17): length 42
  Bottom w0.25: U36.17 335.43,119.84 334.49,118.9 334.49,102.58 336.53,100.54 336.53,85.1 338.59,83.03 U37.24
Net-(U36-Pad18): length 39.1
  Bottom w0.25: U36.18 338.48,122.39 338.48,103.56 338.41,103.49 338.41,88.38 338.51,88.28 338.51,87.18 U37.25
Net-(U36-Pad19): length 43.6
  Bottom w0.25: U37.3 326.4,88.12 333.59,95.3 333.59,123.08 335.43,124.93 U36.19
Net-(U39-Pad21): length 157.1
  Top w0.25: U40.1 97.16,205.52 99.7,202.98 U40.15
  Bottom w0.25: U40.1 94.11,205.52 93.22,204.63 92.29,204.63 91.73,204.07 91.73,203.52 87.27,199.06 87.27,189.75 91.64,185.37 91.88,185.37 93.57,183.68 93.57,181.39 89.23,177.05 89.23,136.75 86.18,133.7 86.18,121.66 86.71,121.13 86.71,111.85 99.52,99.05 107.62,99.05 119.02,87.65 U39.21
Net-(U39-Pad22): length 142.7
  Bottom w0.25: U40.3 89.31,200.44 87.72,198.85 87.72,189.93 91.83,185.82 92.07,185.82 94.02,183.87 94.02,181.2 89.68,176.86 89.68,136.56 86.63,133.51 86.63,122.51 87.16,121.98 87.16,113.96 88.77,112.35 91.53,112.35 102.26,101.62 106.04,101.62 117.47,90.19 120.55,90.19
Net-(U39-Pad26): length 145.1
  Bottom w0.25: U40.13 101.73,197.9 100.32,199.31 93.92,199.31 93.84,199.4 88.91,199.4 88.18,198.67 88.18,190.12 92.03,186.27 92.26,186.27 94.47,184.06 94.47,181.01 90.13,176.67 90.13,136.37 87.08,133.32 87.08,122.69 87.98,121.79 87.98,115.69 88.78,114.89 90.46,114.89 96.2,109.14 111.88,109.14 118.04,102.99 118.04,101.33 119.02,100.34 U39.26
Net-(U44-Pad2): length 15.7
  Top w0.25: U45.28 59.58,39.58 59.58,31.11 61.61,29.08 U44.2
Net-(U44-Pad15): length 42.4
  Top w0.25: U45.2 40.76,47.68 40.76,46.23 41.57,45.42 43.24,45.42 45.78,42.88 58.27,42.88 69.23,31.92 69.23,29.08 U44.15

## Copper pours and planes (outline as drawn; the poured copper is in the pictures)
GND on Top, Bottom: 279.24,223.42 279.24,214.52 349.24,214.42 349.24,0.52 0.73,0.72 0.73,223.72

## Text on the board
F.Silkscreen: GROM Chips optional with attached UNICORN board | Only populate one, header for remote cart slot or on-board slot | +12 | +5 | -12 | GND | TI99/22 V0.96 / Dan Werner 1/21/22 / http://github.com/danwerner21/ti99_22
